# Altium PCB FMC_SDR_XFE.PcbDoc (part 2 of 4) (continued)
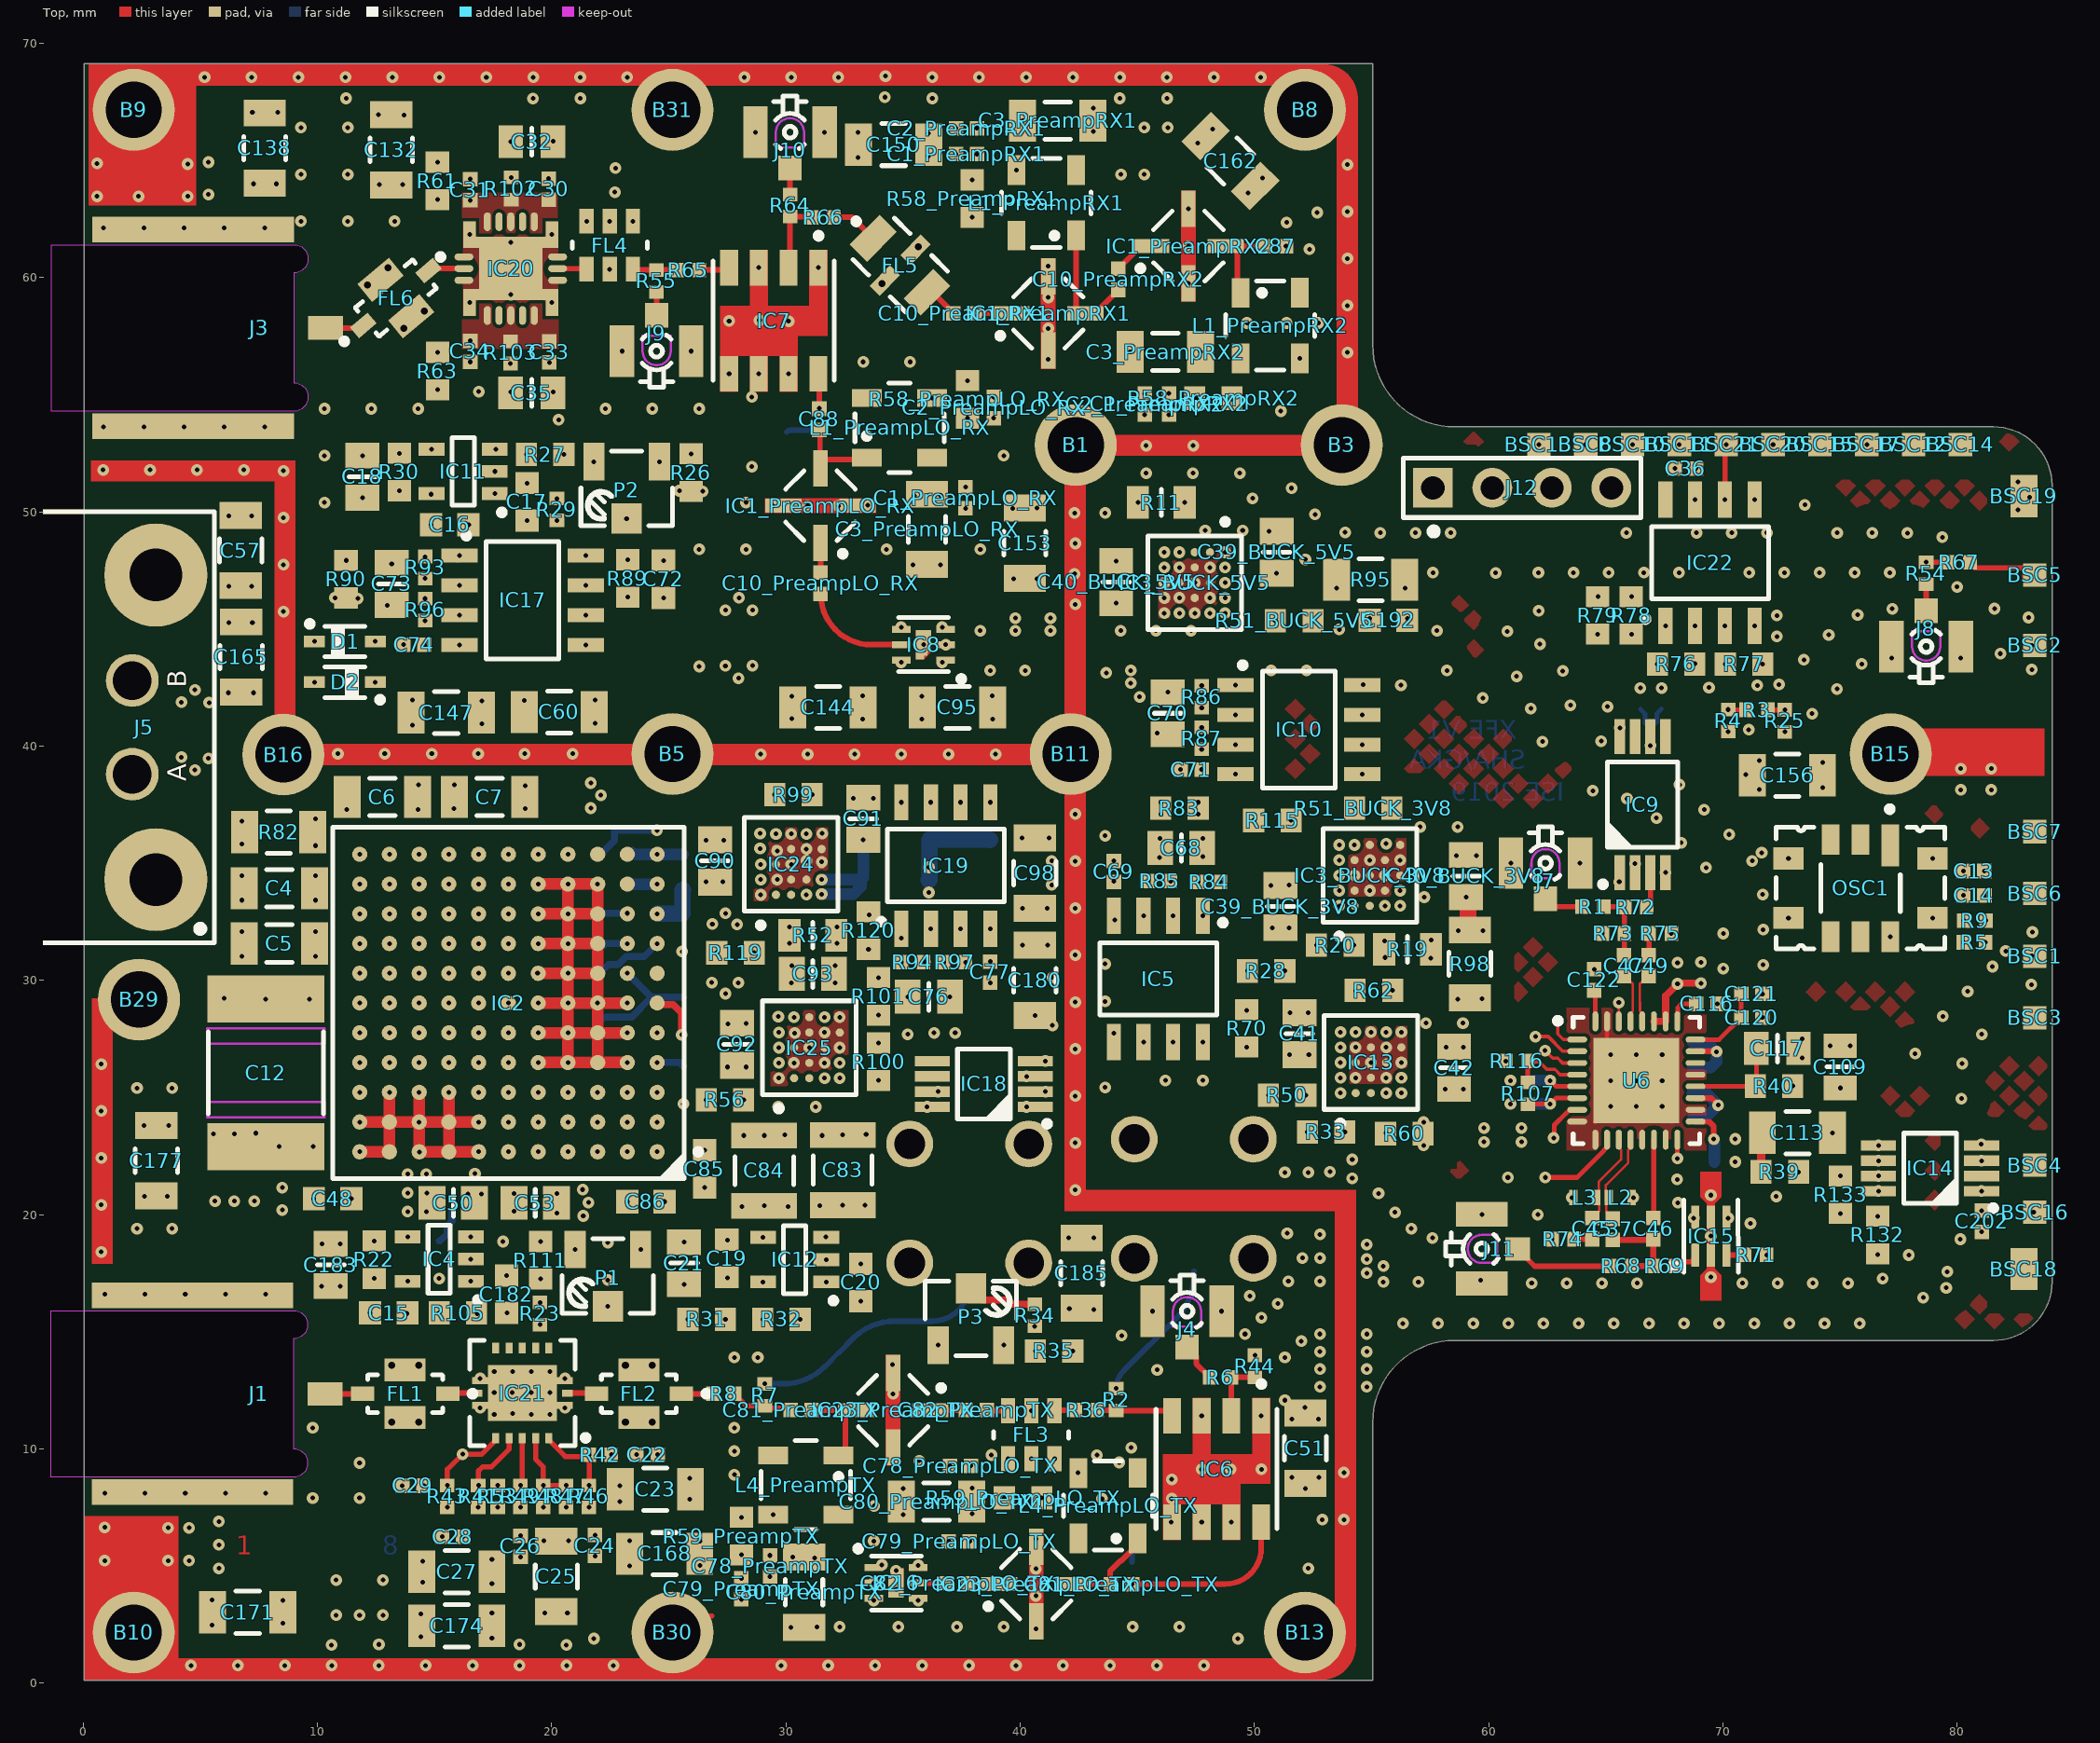
[diagram p0: Top view]
## Part data (continued)
R84 R86: library part R0402_22K_1%_0.0625W_100PPM, "Resistor - 1%", Case=0402, Manufacturer=GENERIC, Manufacturer1 ComponentHeight=0.4mm, Manufacturer1 Example="YAGEO PHYCOMP", Manufacturer1 Part Number=232270672203L, Power=0.0625W, Tolerance=±1%, Author="CERN DEM JLC", Component Type=Standard, CreateDate=03.12.2007, HelpURL=\\cern.ch\dfs\Applications\Altium\Datasheets\R0402_Phycomp_RC0402.pdf, LatestRevisionDate=17.10.2012, Manufacturer Part Number=R0402_22K_1%_0.0625W_100PPM, Mounted=Yes, Part Description="General Purpose Thick Film Chip Resistor", Part Number=R0402_22K_1%_0.0625W_100PPM, Pin Count=2, PressFit=No, Sense=No, SMD=Yes, Socket=No, Status="Not Recommended", TC=±100ppm/°C
R85 R87 R96 R97: library part R0402_12K_1%_0.0625W_100PPM, "Resistor - 1%", Case=0402, Manufacturer=GENERIC, Manufacturer1 ComponentHeight=0.4mm, Manufacturer1 Example="YAGEO PHYCOMP", Manufacturer1 Part Number=232270671203L, Power=0.0625W, Tolerance=±1%, Author="CERN DEM JLC", Component Type=Standard, CreateDate=03.12.2007, HelpURL=\\cern.ch\dfs\Applications\Altium\Datasheets\R0402_Phycomp_RC0402.pdf, LatestRevisionDate=17.10.2012, Manufacturer Part Number=R0402_12K_1%_0.0625W_100PPM, Mounted=Yes, Part Description="General Purpose Thick Film Chip Resistor", Part Number=R0402_12K_1%_0.0625W_100PPM, Pin Count=2, PressFit=No, Sense=No, SMD=Yes, Socket=No, Status="Not Recommended", TC=±100ppm/°C
R93 R94: library part R0402_38K3_1%_0.0625W_100PPM, "Resistor - 1%", Case=0402, Manufacturer=GENERIC, Manufacturer1 ComponentHeight=0.4mm, Manufacturer1 Example="YAGEO PHYCOMP", Manufacturer1 Part Number="232270673833L or RC0402FR-0738K3L", Power=0.0625W, Tolerance=±1%, Author="CERN DEM BC", Component Type=Standard, CreateDate=29.07.2015, HelpURL=\\cern.ch\dfs\Applications\Altium\Datasheets\R0402_Phycomp_RC0402.pdf, LatestRevisionDate=29.07.2015, Manufacturer Part Number=R0402_38K3_1%_0.0625W_100PPM, Mounted=Yes, Part Description="General Purpose Thick Film Chip Resistor", Part Number=R0402_38K3_1%_0.0625W_100PPM, Pin Count=2, PressFit=No, Sense=No, SMD=Yes, Socket=No, Status="Not Recommended", TC=±100ppm/°C
R102 R103: library part R0402_0.1R_1%_0.0625W_100PPM, "Resistor - 1%", Case=0402, Manufacturer=GENERIC, Manufacturer1 ComponentHeight=0.4mm, Manufacturer1 Example="YAGEO PHYCOMP", Manufacturer1 Part Number=232270671007L, Power=0.0625W, Tolerance=±1%, Author="CERN DEM MR", Component Type=Standard, CreateDate=15.03.2016, HelpURL=\\cern.ch\dfs\Applications\Altium\Datasheets\R0402_Phycomp_RC0402.pdf, LatestRevisionDate=15.03.2016, Manufacturer Part Number=R0402_0.1R_1%_0.0625W_100PPM, Mounted=Yes, Part Description="General Purpose Thick Film Chip Resistor", Part Number=R0402_0.1R_1%_0.0625W_100PPM, Pin Count=2, PressFit=No, Sense=No, SMD=Yes, Socket=No, Status="Not Recommended", TC=±100ppm/°C
R109: library part R0603_49K9_0.1%_0.063W_10PPM, "Resistor - 0.1%", Case=0603, Manufacturer=GENERIC, Manufacturer1 ComponentHeight=0.5mm, Manufacturer1 Example="TYCO HOLSWORTHY", Manufacturer1 Part Number=RN73C1J49K9BTDF, Power=0.063W, Tolerance=±0.1%, Author="CERN DEM JLC", Component Type=Standard, CreateDate=03.12.2007, HelpURL=\\cern.ch\dfs\Applications\Altium\Datasheets\R0603_Tyco_RN73.pdf, LatestRevisionDate=13.03.2008, Manufacturer Part Number=R0603_49K9_0.1%_0.063W_10PPM, Mounted=Yes, Part Description="Thin Film Chip Resistor", Part Number=R0603_49K9_0.1%_0.063W_10PPM, Pin Count=2, PressFit=No, Sense=No, SMD=Yes, Socket=No, Status="Not Recommended", TC=±10ppm
R110: library part R0603_499R_0.1%_0.063W_10PPM, "Resistor - 0.1%", Case=0603, Manufacturer=GENERIC, Manufacturer1 ComponentHeight=0.5mm, Manufacturer1 Example="TYCO HOLSWORTHY", Manufacturer1 Part Number=RN73C1J499RBTDF, Power=0.063W, Tolerance=±0.1%, Author="CERN DEM JLC", Component Type=Standard, CreateDate=03.12.2007, HelpURL=\\cern.ch\dfs\Applications\Altium\Datasheets\R0603_Tyco_RN73.pdf, LatestRevisionDate=13.03.2008, Manufacturer Part Number=R0603_499R_0.1%_0.063W_10PPM, Mounted=Yes, Part Description="Thin Film Chip Resistor", Part Number=R0603_499R_0.1%_0.063W_10PPM, Pin Count=2, PressFit=No, Sense=No, SMD=Yes, Socket=No, Status="Not Recommended", TC=±10ppm
R111: library part R0603_1K96_0.1%_0.063W_10PPM, "Resistor - 0.1%", Case=0603, Manufacturer=GENERIC, Manufacturer1 ComponentHeight=0.5mm, Manufacturer1 Example="TYCO HOLSWORTHY", Manufacturer1 Part Number=RN73C1J1K96BTDF, Power=0.063W, Tolerance=±0.1%, Author="CERN DEM JLC", Component Type=Standard, CreateDate=03.12.2007, HelpURL=\\cern.ch\dfs\Applications\Altium\Datasheets\R0603_Tyco_RN73.pdf, LatestRevisionDate=13.03.2008, Manufacturer Part Number=R0603_1K96_0.1%_0.063W_10PPM, Mounted=Yes, Part Description="Thin Film Chip Resistor", Part Number=R0603_1K96_0.1%_0.063W_10PPM, Pin Count=2, PressFit=No, Sense=No, SMD=Yes, Socket=No, Status="Not Recommended", TC=±10ppm
BSC1 BSC2 BSC3 BSC4 BSC5 BSC6 BSC7 BSC8 BSC10 BSC11 BSC12 BSC13 BSC14 BSC15 BSC16 BSC17 BSC20 BSC21: Part Description="Board connection - soldered 0603 jumper", Pin Count=1, PressFit=No, Sense=No, SMD=Yes, Socket=No, Status=None, System=Connector
BSC18 BSC19: Part Description="Board connection - soldered 1206 jumper", Pin Count=1, PressFit=No, Sense=No, SMD=Yes, Socket=No, Status=None, System=Connector

## Via types
v1: diameter 0.5, hole 0.2, Top to Bottom, tented both sides, 1305 vias
v2: diameter 0.5/0.5/0.5/0.5/0.5/0.5/0.5/0.5 (per signal layer), hole 0.2, Top to Bottom, tented both sides, 38 vias
v3: diameter 0.5/0.5/0.5/0.5/0.5/0.5/0.5/0.5 (per signal layer), hole 0.2, Top to Bottom, 14 vias
v4: diameter 0.6, hole 0.3, Top to Bottom, tented both sides, 14 vias

## Nets (pads, with @x,y where several pads share a name; then routed paths per layer and width w, separated by ;. In a path a pad name is that pad's centre, name@x,y a point inside that pad or via, vN(x,y) a via of type N, cw(c..) or ccw(c..) an arc to the next point about the centre after c; other vN are vias at no path point)
5356_SPI_CE: BSC13.1 R116.1 | length 30.6
  Top w0.1: v1(62.14,52.872) BSC13.1@62.175,52.907
  Int5 [signals] w0.2: v1(60.73,26.55) 59.63,27.65 58.718,27.65 58.125,28.243 58.125,42.426 59.055,43.356 59.055,51.481 60.447,52.872 v1(62.14,52.872)
5356_SPI_CLK: BSC8.1 J12.4 U6.1 | length 28
  Top w0.15: v1(62.95,28.275) 62.95,27.709 63.187,27.472 U6.1@63.78,27.472
  Int5 [signals] w0.2: v1(62.95,28.275) 62.95,40.268 64.712,42.03 64.712,44.006 64.15,44.568 64.15,49.94 J12.4@65.235,51.025
  Int4 [PWR] w0.3: v1(64.14,52.872) 64.14,52.12 J12.4@65.235,51.025
5356_SPI_DATA: BSC10.1 J12.3 U6.2 | length 35.1
  Top w0.15: v1(62,27.6) 62.539,27.6 63.166,26.972 U6.2@63.78,26.972
  Int5 [signals] w0.2: v1(62,27.6) 61.942,27.657 61.942,27.95 61.9,27.993 61.9,31.682 62.45,32.233 62.45,36.098 61.678,36.869 61.678,40.644 63.362,42.328 64.04,42.328 64.362,42.65 64.362,43.676 62.695,45.343 J12.3@62.695,51.025
  Int4 [PWR] w0.3: J12.3@62.695,51.025 63.845,49.875 65.711,49.875 66.385,50.549 66.385,52.623 66.14,52.868 v1(66.14,52.872)
5356_SPI_LE: BSC11.1 J12.2 U6.3 | length 36.6
  Top w0.15: v1(62.405,27.002) 62.731,26.675 62.95,26.675 63.153,26.472 U6.3@63.78,26.472
  Int5 [signals] w0.2: v1(62.405,27.002) 62.369,27.038 61.855,27.038 61.45,27.443 61.45,36.033 60.483,37 60.483,42.787 60.025,43.245 60.025,46.127 60.632,46.733 60.649,46.733 61.215,47.299 61.215,49.965 J12.2@60.155,51.025 61.255,52.125 67.368,52.125 68.115,52.872 v1(68.14,52.872)
BUCKBOOST_OUT: C90.2 IC24.A2 IC24.A3 IC24.A4 R37.2 R38.2 R112.1
  other v1: 5.625,20.575 6.45,20.575 7.305,20.575 27.922,32.383 26.86,32.403 27.419,32.858 26.595,34.2 27.313,34.2 28.925,34.303 28.925,34.953 28.9,35.625
  other v2: 8.5,20.2 8.5,21.152
CR_NSHDN: BSC12.1
EXTERNAL_PS: J5.A R21.1 R82.1
  other v1: 6.775,35.825 6.775,36.8 4.775,38.975 5.35,39.475 4.2,39.525
FE_3V3: C13.2 C14.2 C36.1 C43.2 C44.2 C202.2 IC9.2 IC9.6 IC14.1 IC22.7 OSC1.9 R9.2 R78.2 R88.1 R115.2 R132.2 | length 2.8
  Top w0.5: v1(76.599,18.289) R132.2@76.599,18.328 ; C202.2@81.026,20.14 v1(81.051,20.165)
  Bottom w0.2: C43.2@66.477,41.581 66.687,41.371 66.687,40.979 66.906,40.76 ; v1(66.9,40.025) 66.906,40.031 66.906,40.76 ; C44.2@67.377,41.581 67.167,41.371 67.167,41.021 66.906,40.76
  other v1: 81.04,20.999 60.82,21.584 81.228,32.548 78.947,32.665 80.262,33.628 80.261,34.665 66.25,34.975 51.568,36.825 66.1,46.375 68.815,50.525 68.85,51.85
FE_3V3_PLL: C110.2 C111.2 C112.1 C118.2 C119.2 C123.2 C124.2 L2.2 L3.2 R88.2 R107.1 U6.5 U6.6 U6.10 U6.16 U6.19 U6.26 U6.27 | length 16.5
  Top w0.2: R107.1@61.675,24.705 61.683,24.713 62.621,24.713 62.88,24.972 U6.6@63.78,24.972 ; v1(62.42,21.584) 63.773,21.584 64.93,22.742 64.93,22.758 65.055,22.883 U6.10@65.055,23.197 ; v1(62.63,25.722) 62.88,25.472 U6.5@63.78,25.472 ; v1(68.055,22.4) U6.16@68.055,23.197 ; U6.19@68.83,24.972 U6.19@68.84,24.962
  Top w0.25: U6.19@68.84,24.962 69.513,24.962 v1(69.8,24.675)
  Top w0.3: U6.27@67.055,28.247 U6.26@67.555,28.247 67.555,29.343 v1(68.062,29.85) 68.062,29.875 v1(69.062,29.875)
  Bottom w0.5: C110.2@61.83,24.722 v1(62.63,24.722) ; C119.2@61.83,25.722 v1(62.63,25.722) ; C118.2@68.7,24.075 69.2,24.075 v1(69.8,24.675) 69.3,25.175 C111.2@68.7,25.175 ; C124.2@69.062,29.85 v1(69.062,29.875)
  other v1: 63.55,20.725 66.175,20.725
FE_3V8: C72.2 C192.2 R89.1 R98.2 R113.1 | length 16.7
  Int2 [shielded signals] w0.5: v1(56.253,42.6) 56.253,38.522 57.898,36.877 57.898,32.874 57.458,32.434 57.328,32.434 56.875,31.981 56.875,30.442 58.11,29.207 v1(59.725,29.207)
  other v1: 58.675,29.2 56.525,45.45 24.773,46.324 23.248,46.354
FE_5V0: R83.2 R125.1
  other v1: 59.8,23.1 59.8,23.7 47.6,37.1 47.6,37.6
FE_5V0_Preamp: C1_PreampLO_RX.2 C1_PreampRX1.2 C1_PreampRX2.2 C2_PreampLO_RX.2 C2_PreampRX1.2 C2_PreampRX2.2 C3_PreampLO_RX.2 C3_PreampRX1.2 C3_PreampRX2.2 R58_PreampLO_RX.2 R58_PreampRX1.2 R58_PreampRX2.2 | length 0.5
  Top w0.22: C3_PreampLO_RX.2@36.024,50.749 C3_PreampLO_RX.2@36.325,51.05 ; R58_PreampLO_RX.2@37.719,53.969 v1(37.75,54)
  other v1: 35.475,50.675 36.6,50.7 37.669,51.05 38.875,54 47.518,54.845 45.318,55.045 46.35,55.05 47.7,56.825 37.958,64.17 38.158,65.27 38.158,66.37 40.1,66.699
FE_5V5: C11.2 C40_BUCK_5V5.2 C41.2 IC3_BUCK_5V5.E1 IC3_BUCK_5V5.E2 IC13.A3 IC13.A4 R33.2 R70.1 R95.1
  other v1: 53.86,23.525 47.8,25.725 53.673,26.49 51.5,26.822 52.325,26.825 49.675,27.15 53.673,27.14 53.5,46.75 46.152,47.623 44.1,47.9 46.152,48.273
FE_5V_PLL: C200.2 C201.2 R125.2 U6.17 | length 2.4
  Top w0.25: U6.17@68.83,23.972 68.84,23.962 69.413,23.962 69.603,23.772 69.603,23.224 v1(69.605,23.222)
  Bottom w0.2: C200.2@69.584,22.25 C200.2@69.625,22.25
  Bottom w0.5: v1(69.605,23.222) 69.625,23.202 69.625,22.254 C200.2@69.629,22.25
  other v1: 61.4,23.1 61.4,23.7
FE_-5V: C17.2 C42.1 IC11.2 IC13.A1 IC13.A5 IC13.B2 IC13.B3 IC13.B4 IC13.C2 IC13.C3 IC13.C4 IC13.C5 IC13.D2 IC13.D3 IC13.D4 IC13.E3 IC13.E4 IC13.E5 R60.2 R62.1 R118.1 | length 2.6
  Top w0.2: R62.1@55.623,29.295 v1(55.9,29.572) ; C42.1@58.498,27.14 C42.1@58.523,27.165
  Top w0.5: C17.2@18.75,51.425 v1(18.95,51.225)
  Int2 [shielded signals] w0.4: v1(55.9,29.572) 56.273,29.199 v1(56.273,27.79)
  other v1: 57.225,22.95 57.225,23.95 53.673,25.19 54.323,25.84 55.623,25.84 54.973,26.49 56.273,26.49 54.323,27.14 55.623,27.14 58.176,27.15 58.925,27.15 53.673,27.79 54.973,27.79 17.575,51.725
  other v3: 58.9,28.175
FE_NSHDN: BSC17.1 R28.1 R50.1 | length 69.5
  Int5 [signals] w0.2: v1(49.7,30.4) 44.676,30.4 44.676,25.283 45.336,24.622 50.118,24.622 v1(50.595,25.099) 51.44,24.254 51.44,23.638 52.228,22.85 56.618,22.85 57.018,22.45 61.457,22.45 62.275,23.268 62.275,23.66 64.005,25.39 64.005,31.857 64.4,32.252 64.4,35.207 63.943,35.664 63.943,38.301 65.004,39.362 65.389,39.362 66.45,40.423 66.45,41.18 65.525,42.105 65.525,47.015 68.535,50.025 71.562,50.025 74.409,52.872 v1(76.14,52.872)
FE_PA_-5V: C20.2 C93.1 C182.2 IC4.2 IC12.2 IC25.A1 IC25.A5 IC25.B2 IC25.B3 IC25.B4 IC25.C2 IC25.C3 IC25.C4 IC25.C5 IC25.D2 IC25.D3 IC25.D4 IC25.E3 IC25.E4 IC25.E5 R100.2 R101.1 R120.1 | length 1.2
  Top w0.5: v1(16.55,18.1) IC4.2@16.575,18.075 ; C182.2@17.925,17.55 v1(18.075,17.4) ; v1(31.725,18.075) IC12.2@31.75,18.05 ; C20.2@33.05,18.05 v1(33.2,17.9)
  Int6 [PWR] w0.3: v1(29.675,28.45) 30.078,28.986
  other v1: 29.7,25.825 30.35,26.475 31.65,26.475 31,27.125 32.3,27.125 33.957,27.325 30.375,27.75 31.65,27.775 32.3,28.425 33.95,28.514 32.097,29.9 32.099,30.625
  other v3: 33.55,32.8
FE_PA_VDD: IC21.14 R41.1 R43.1 R49.2 R53.2 R114.2 | length 3.8
  Top w0.22: v1(18.672,8.441) 18.748,8.517 IC21.14@18.748,10.452
  Int6 [PWR] w0.2: 13.7,10.6 13.7,10.891 13.723,10.914 13.723,11.355 13.795,11.427 ; 13.759,13.303 13.759,13.725 ; 16.369,10.299 16.384,10.299 16.723,9.959
  other v1: 15.548,7.501 16.864,7.501 17.698,8.441
  other v2: 21.35,19.942 21.575,20.517 21.325,21.067
FMC_3V3_IN: BSC18.1
FMC_12V_IN: BSC19.1 R10.1 R38.1 R81.1
  other v1: 27.422,29.433 27.972,29.893 26.834,29.908 21.672,37.351 22.1,37.901 21.675,38.426 27.975,42.9 27.418,43.425 28.575,43.432 82.6,50.081 83.1,50.625 82.6,51.275
GND: C1_PreampLO_RX.1 C1_PreampRX1.1 C1_PreampRX2.1 C2_PreampLO_RX.1 C2_PreampRX1.1 C2_PreampRX2.1 C3_PreampLO_RX.1 C3_PreampRX1.1 C3_PreampRX2.1 C11.1 C13.1 C14.1 C17.1 C18.1 C30.1 C31.1 C32.1 C33.1 C34.1 C35.1 C36.2 C38.1 C39_BUCK_3V8.1 C39_BUCK_5V5.1 C40_BUCK_3V8.1 C40_BUCK_5V5.1 C41.1 C42.2 C43.1 C44.1 C51.1 C52.1 C54.1 C55.1 C56.1 C57.1 C58.1 C59.1 C60.1 C63.1 C64.1 C65.1 C68.1 C70.1 C72.1 C73.1 C95.1 C98.1 C109.1 C110.1 C111.1 C112.2 C114.1 C115.1 C116.2 C117.1 C118.1 C119.1 C120.1 C121.1 C122.2 C123.1 C124.1 C130.1 C131.1 C132.1 C133.1 C134.1 C136.1 C137.1 C138.1 C139.1 C140.1 C142.1 C143.1 C144.1 C145.1 C146.1 C147.1 C148.1 C149.1 C150.1 C151.1 C152.1 C153.1 C154.1 C155.1 C156.1 C158.1 C160.1 C162.1 C192.1 C198.1 C199.1 C200.1 C201.1 C202.1 C204.1 C205.1 C206.1 C207.1 C208.1 C209.1 C210.1 C211.1 C212.1 C213.1 C214.1 C215.1 C216.1 C217.1 D1.2 D2.1 FL4.2 FL4.4 FL4.5 FL4.6 FL5.2 FL5.4 FL6.2 FL6.4 IC1_PreampLO_RX.2 IC1_PreampLO_RX.4 IC1_PreampRX1.2 IC1_PreampRX1.4 IC1_PreampRX2.2 IC1_PreampRX2.4 IC3_BUCK_3V8.A1 IC3_BUCK_3V8.A5 IC3_BUCK_3V8.B2 IC3_BUCK_3V8.B3 IC3_BUCK_3V8.B4 IC3_BUCK_3V8.C2 IC3_BUCK_3V8.C3 IC3_BUCK_3V8.C4 IC3_BUCK_3V8.C5 IC3_BUCK_3V8.D2 IC3_BUCK_3V8.D3 IC3_BUCK_3V8.D4 IC3_BUCK_3V8.E3 IC3_BUCK_3V8.E4 IC3_BUCK_3V8.E5 IC3_BUCK_5V5.A1 IC3_BUCK_5V5.A5 IC3_BUCK_5V5.B2 IC3_BUCK_5V5.B3 IC3_BUCK_5V5.B4 IC3_BUCK_5V5.C2 IC3_BUCK_5V5.C3 IC3_BUCK_5V5.C4 IC3_BUCK_5V5.C5 IC3_BUCK_5V5.D2 IC3_BUCK_5V5.D3 IC3_BUCK_5V5.D4 IC3_BUCK_5V5.E3 IC3_BUCK_5V5.E4 IC3_BUCK_5V5.E5 IC5.3 IC5.6 IC5.7 IC7.1 IC7.3 IC7.5 IC7.6 IC7.7 IC8.1 IC8.3 IC8.4 IC8.6 IC8.7 IC9.4 IC10.3 IC10.6 IC10.7 IC11.1 IC13.E1 IC13.E2 IC14.4 IC15.2 IC15.5 IC17.3 IC17.6 IC17.7 IC20.1 IC20.3 IC20.9 IC20.11 IC20.17 IC22.4 J3.2 J7.2 J8.2 J9.2 J10.2 J11.2 J12.1 J13.2 OSC1.4 OSC1.10 R4.1 R5.1 R11.2 R19.2 R25.1 R29.1 R30.1 R39.1 R45.1 R51_BUCK_3V8.1 R51_BUCK_5V5.1 R71.1 R73.1 R74.1 R75.1 R79.1 R85.1 R87.1 R96.1 R117_BUCK_3V8.1 R117_BUCK_5V5.1 R133.2 U6.8 U6.9 U6.13 U6.15 U6.18 U6.21 U6.31 U6.33 | length 11.3
  Top w0.2: U6.33@64.555,23.972 v1(66.305,25.722) ; U6.31@65.055,28.247 65.055,26.972 v1(65.205,26.822) v1(66.305,25.722) ; U6.33@66.555,25.972 v1(66.305,25.722)
  Top w0.5: v1(59.65,17.2) 59.65,17.119 J11.2@59.708,17.061 ; J11.2@59.683,20.036 v1(59.708,20.011) ; v1(71.355,45.125) 71.355,45.525 IC22.4@71.405,45.575
  Bottom w0.5: 67.405,25.135 v1(67.405,24.622) 67.405,24.115 67.76,24.115 C118.1@67.8,24.075 ; 67.405,26.315 v1(67.405,26.822) 67.405,27.335 67.76,27.335 C115.1@67.8,27.375 ; C111.1@67.8,25.175 67.405,25.175 v1(67.405,25.722) 67.405,26.275 C114.1@67.8,26.275
  other v1: 52.175,8.3 51.6,8.775 52.75,8.775 54.8,12.65 54.8,13.4 54.8,14.15 54.8,14.9 56.34,15.353 57.84,15.353 59.34,15.353 60.84,15.353 62.34,15.353 63.84,15.353 65.34,15.353 66.84,15.353 68.34,15.353 69.84,15.353 71.34,15.353 72.84,15.353 74.34,15.353 75.84,15.353 78.555,16.458 79.532,16.878 61.835,17.072 63.335,17.072 64.835,17.072 66.335,17.072 70.835,17.072 72.335,17.072 73.835,17.072 75.335,17.072 55.5,17.125 57,17.125 76.822,17.269 69.485,17.329 54.8,17.5 79.575,17.558 55.5,17.8 54.8,18.1 71.87,18.279 77.938,18.272 54.8,18.725 62.705,18.946 80.136,18.949 57.6,19 69.485,19.079 81.051,19.265 56.7,19.4 71.175,19.625 62.1,20 56,20.1 68.075,20.508 72.275,20.775 69.485,20.829 55.3,20.9 68.05,21.5 54.175,21.55 75.022,21.646 73.227,21.822 70.525,22.25 54.175,22.35 81.029,23.003 70.525,23.225 65.205,24.622 66.305,24.622 60.93,24.722 80.184,24.948 56.273,25.19 58.15,25.35 58.925,25.35 43.625,25.425 46.2,25.725 60.93,25.722 65.205,25.722 56.273,25.84 80.212,26.448 73.38,26.693 66.305,26.822 78.2,26.875 74.575,27.204 75.425,27.204 45.264,27.359 46.534,27.359 73.38,27.51 81.045,27.695 71.682,28.416 79.389,28.46 51.525,28.625 52.3,28.625 69.765,28.997 43.625,29.1 71.682,29.422 80.445,29.525 83.167,29.816 64.505,30.472 70.017,30.499 81.506,30.586 71.714,30.665 43.625,30.7 68.062,30.75 69.062,30.775 57.525,30.95 82.075,31.25 81.208,31.623 57.538,31.725 64.855,32 67.795,32 70.017,31.999 83.211,32.06 71.714,32.165 50.768,32.239 51.486,32.239 45.264,32.759 40.1,33.075 41.15,33.075 53.624,33.18 81.162,33.628 71.698,33.665 54.924,33.83 45.48,34.234 54.274,34.48 55.574,34.48 67.55,34.6 81.161,34.665 69.281,34.81 60.95,35 63.9,35 71.248,35.096 54.924,35.13 56.224,35.13 72.797,35.205 78.947,35.205 45.955,35.25 58.625,35.325 59.475,35.325 71.652,35.447 53.624,35.78 68.22,35.87 45.975,36.05 43.625,36.175 70.263,36.227 67.159,36.931 69.202,37.288 55.871,37.35 65.903,37.75 64.443,38.094 80.154,38.136 81.454,38.136 71.55,38.15 68.142,38.348 70.975,38.775 71.55,39.375 47.75,39.86 49.2,40.065 54.6,40.065 62.299,40.187 64.806,40.207 45.853,40.55 72.644,40.607 70.228,40.618 71.104,40.698 17.025,40.95 21.85,40.975 38.825,41.15 30.25,41.175 54.6,41.335 73.806,41.381 61.801,41.603 65.072,41.683 63.491,41.744 17.025,41.933 21.85,41.958 59.749,42.048 45.1,42.1 30.25,42.127 38.8,42.15 74.866,42.442 66.477,42.481 67.377,42.481 69.404,42.497 71.469,42.588 72.395,42.625 44.718,42.691 12.475,42.725 61.197,42.975 43.675,43.125 38.718,43.227 40.218,43.227 44.718,43.227 50.718,43.227 52.218,43.227 58.218,43.227 63.159,43.207 83.184,43.267 26.3,43.4 75.927,43.503 34.925,43.575 36.675,43.575 73.456,43.686 77.2,43.75 80.15,43.75 81.846,43.946 35.875,44.325 62.192,44.353 12.475,44.465 74.516,44.746 60.792,44.893 38.293,44.923 39.793,44.923 41.293,44.923 44.293,44.923 45.793,44.923 47.293,44.923 57.793,44.923 53.625,44.975 34.925,45.075 36.675,45.075 14.597,45.354 52.5,45.35 39.793,45.459 41.293,45.459 54.925,45.45 83.044,45.487 16.059,45.591 21.459,45.591 75.751,45.598 46.15,45.675 47.452,45.673 48.752,45.673 62.14,45.775 77.227,45.863 81.593,45.867 12.975,46 44.1,46.1 46.152,46.323 46.8,46.325 48.102,46.323 64.675,46.375 79.995,46.797 6.217,46.825 7.2,46.825 21.459,46.861 46.152,46.973 47.452,46.973 39.725,47.132 40.708,47.132 57.623,47.406 60.3,47.396 62.123,47.406 63.623,47.406 65.123,47.406 66.623,47.406 68.123,47.406 71.123,47.406 72.623,47.406 74.123,47.406 75.623,47.406 77.123,47.406 46.802,47.623 48.102,47.623 35.425,47.73 36.6,47.73 24.773,47.924 52.176,47.973 48.752,48.273 26.3,48.4 28.3,48.4 34.3,48.4 38.3,48.4 79.365,48.916 77.875,49.091 53.875,49.121 55.375,49.103 56.875,49.103 58.375,49.103 65.875,49.103 68.875,49.103 70.375,49.103 71.875,49.103 74.875,49.103 76.375,49.103 50.625,49.175 18.95,49.625 52.589,49.893 43.625,49.95 37.669,50.15 29.43,50.261 30.925,50.261 32.237,50.25 33.5,50.275 10.3,50.4 28.3,50.4 45.025,50.4 20.225,50.57 49.921,50.579 17.575,50.775 13.5,50.9 51.586,51.008 47.375,51.65 49.375,51.65 67.95,51.85 28.55,51.925 10.3,52.4 11.925,52.4 39.3,52.4 0.875,53.625 2.592,53.625 4.31,53.625 6.027,53.625 7.744,53.625 20.3,53.925 45.318,54.145 46.35,54.15 51.125,54.3 10.3,54.4 12.3,54.4 14.3,54.4 22.3,54.4 24.3,54.4 26.3,54.4 28.55,54.9 38.875,54.9 16.888,55.132 20.075,55.125 27.576,55.892 28.846,55.892 30.116,55.892 33.3,56.4 35.3,56.4 41.2,56.5 44.7,56.825 23.006,56.857 25.956,56.857 41.2,57.827 49.687,58.06 52.725,58.06 30.116,58.132 27.576,58.15 28.869,58.175 16.5,58.932 20.013,58.932 41.2,59.154 18.256,59.27 47.183,59.757 22.481,60.357 28.846,60.422 31.386,60.422 41.2,60.481 52.348,61.209 47.175,61.325 18.256,61.495 16.5,61.832 20.013,61.832 0.875,62.125 2.592,62.125 4.31,62.125 6.027,62.125 7.744,62.125 51.375,62.35 9.3,62.4 11.3,62.4 13.3,62.4 21.491,62.407 22.481,62.407 23.471,62.407 52.675,62.775 47.183,62.927 5.35,63.55 49.725,63.616 22.7,63.65 12.65,63.978 13.633,63.978 7.267,64 8.25,64 16.525,64.2 50.35,64.241 9.3,64.4 11.3,64.4 44.3,64.4 45.3,64.4 22.725,64.675 5.35,64.925 36.075,65.175 37.258,65.27 20.075,65.825 36.075,66.158 28.7,66.204 31.65,66.204 43.125,66.242 37.258,66.37 9.3,66.4 11.3,66.4 45.3,66.4 46.3,66.4 43.125,67.225 11.225,67.65 19.203,67.647 21.225,67.65 36.25,67.65 44.25,67.65 46.275,67.65 34.225,67.7
  other v2: 19.9,56.375 16.525,56.4 51.376,58.06 19.875,64.225
  other v3: 58.675,36.55 49.5,49.2
  other v4: 13.687,57.829 14.568,58.568 12.132,59.682 34.094,59.744 13.013,60.422 35.656,61.306
LNA_3V3: R61.1 R90.2
  other v1: 11.725,46.3 10.75,46.325 15.125,64.925
LNA_PD: BSC15.1
LNA_VG: R26.2 R63.1
  other v1: 26.45,50.875 25.45,50.9 15.131,55.207
"LO RX": C88.2 IC7.8 R104.2 | length 1.5
  Top w0.22: IC7.8@31.386,55.892 IC7.8@31.399,55.892
  Top w0.25: IC7.8@31.386,55.892 31.425,55.853 C88.2@31.425,54.435
  other v2: 31.425,54.42
LO_TX: C81_PreampLO_TX.2 IC6.8 R106.2 | length 7.5
  Top w0.24: C81_PreampLO_TX.2@44.805,4.225 48.749,4.225 ccw(c48.749,5.766) 50.29,5.766 IC6.8@50.29,6.875
  other v2: 44.775,4.225
LOCK_DETECT: BSC20.1 U6.30 | length 32.2
  Top w0.1: U6.30@65.555,28.247 v1(65.555,29.047)
  Int5 [signals] w0.2: v1(65.555,29.047) 65.555,33.438 64.9,34.093 64.9,35.45 66.575,37.125 66.575,38.063 67.55,39.038 67.55,40.575 65.875,42.25 65.875,43.575 66.55,44.25 67.525,44.25 68.1,44.825 68.1,45.65 70.425,47.975 72.382,47.975 73.538,49.132 73.538,50.256 v1(73.5,50.294) v1@73.453,50.247
  Int6 [PWR] w0.3: v1(72.14,52.872) 72.14,51.654 v1(73.5,50.294)
NetBSC1_1: BSC1.1 R44.2 | length 44.9
  Int2 [shielded signals] w0.19: v1(50.025,13.995) 51.135,15.105 cw(c53.809,12.431) 53.809,16.212 76.042,16.212 ccw(c76.042,18.752) 77.838,16.956 78.581,17.7 ccw(c76.785,19.496) 79.325,19.496 79.325,26.138 cw(c81.865,26.138) 80.069,27.934 v1(83.187,31.052)
NetBSC5_1: BSC5.1 R67.2 | length 2.9
  Top w0.22: R67.2@80.545,47.85 80.545,47.83 80.76,47.615 82.878,47.615 BSC5.1@82.878,47.3
  Top w0.25: BSC5.1@82.891,47.25 ccw(c82.891,47.421) BSC5.1@83.012,47.3
NetC8_2: C8.2 IC2.K1 | length 1.1
  Bottom w0.3: C8.2@23.45,34.05 C8.2@23.5,34.1
  Bottom w0.5: C8.2@23.5,34.1 v1(24.5,34.1)
NetC9_2: C9.2 IC2.J2 | length 1.2
  Bottom w0.3: C9.2@22.05,32.825 22.09,32.865 v1(23.235,32.865)
NetC10_PreampLO_RX_1: C10_PreampLO_RX.1 IC8.5 | length 4.7
  Top w0.24: C10_PreampLO_RX.1@31.484,46.5 ccw(c33.659,46.5) 33.659,44.325 IC8.5@34.925,44.325
NetC10_PreampLO_RX_2: C10_PreampLO_RX.2 IC1_PreampLO_RX.1 | length 1.3
  Top w0.22: IC1_PreampLO_RX.1@31.476,48.676 IC1_PreampLO_RX.1@31.484,48.668
  Top w0.24: C10_PreampLO_RX.2@31.484,47.4 IC1_PreampLO_RX.1@31.484,48.668
NetC10_PreampRX1_1: C10_PreampRX1.1 FL5.3 | length 1.4
  Top w0.22: FL5.3@36.024,59.376 FL5.3@36.249,59.376 ; C10_PreampRX1.1@37,58.475 C10_PreampRX1.1@37,58.625
  Top w0.24: FL5.3@36.249,59.376 C10_PreampRX1.1@37,58.625
NetC10_PreampRX1_2: C10_PreampRX1.2 IC1_PreampRX1.1 | length 1.6
  Top w0.24: C10_PreampRX1.2@38.05,58.475 38.055,58.47 39.61,58.47 IC1_PreampRX1.1@39.615,58.465
NetC10_PreampRX2_1: C10_PreampRX2.1 IC1_PreampRX1.3 L1_PreampRX1.1 | length 4.4
  Top w0.24: L1_PreampRX1.1@42.384,61.793 42.384,58.65 42.569,58.465 IC1_PreampRX1.3@42.785,58.465 ; IC1_PreampRX1.3@43.445,58.725 C10_PreampRX2.1@44.025,59.305
NetC10_PreampRX2_2: C10_PreampRX2.2 IC1_PreampRX2.1 | length 1.6
  Top w0.22: IC1_PreampRX2.1@44.933,61.113 44.933,61.147 45.128,61.342 IC1_PreampRX2.1@45.598,61.342 IC1_PreampRX2.1@45.598,61.317
  Top w0.24: C10_PreampRX2.2@44.373,60.552 IC1_PreampRX2.1@44.933,61.113
NetC12_2: C12.2 C83.2 C84.2 C85.2 C86.2 IC2.A1 IC2.A2 IC2.A3 IC2.A4 IC2.A5 IC2.A6 IC2.B1 IC2.B2 IC2.B3 IC2.B4 IC2.B5 IC2.B6 IC2.C1 IC2.C2 IC2.C3 IC2.C4 IC2.C5 IC2.C6 R12.2 R13.2 R37.1
  other v1: 23.225,20.55 26.525,21.15 18.155,22.68 19.425,22.68 20.695,22.68 21.965,22.68 23.235,22.68 24.505,22.68 9.825,22.9 28.201,23.375 29.076,23.375 31.55,23.375 29.95,23.4 32.425,23.4 33.425,23.425 5.568,23.45 6.45,23.45 7.375,23.475 18.155,23.95 19.425,23.95 20.695,23.95 21.965,23.95 23.235,23.95 24.505,23.95 25.625,24.725 18.155,25.22 19.425,25.22 20.695,25.22 21.965,25.22 23.235,25.22 24.505,25.22 25.575,31.225
  other v2: 8.375,22.9
NetC15_1: C15.1 IC4.3 | length 10.6
  Top w0.3: v1(13.823,15.775) C15.1@13.848,15.8
  Int2 [shielded signals] w0.3: v1(13.823,15.775) 13.3,16.298 13.3,17.378 14.972,19.05 v1(16.55,19.05)
  Int5 [signals] w0.3: v1(13.823,15.775) 14.545,16.498 15.2,16.498 15.856,17.153 15.856,18.356 v1(16.55,19.05)
NetC15_2: C15.2 C183.2 IC4.5 P1.1 R22.2 R105.1 | length 22.2
  Top w0.5: C183.2@10.575,16.95 C183.2@10.738,17.113 ; v1(12.248,15.8) C15.2@12.475,16.027 ; R22.2@12.413,17.263 v1(12.425,17.275) ; R105.1@16.797,15.8 v1(16.822,15.775) ; P1.1@23.8,18.515 v1(23.815,18.515)
  Int2 [shielded signals] w0.5: v1(13.85,17.15) 13.85,16.76 14.547,16.063 14.547,15.531 14.928,15.15 15.467,15.15 16.096,15.779 16.818,15.779 17.942,14.655 22.599,14.655 23.815,15.871 v1(23.815,18.515)
  Int2 [shielded signals] w0.7: v1(10.175,16.936) v1(10.975,16.936) 11.111,16.936 v1(12.248,15.8)
  Int5 [signals] w0.7: v1(10.175,16.936) v1(10.975,16.936) 11.314,17.275 v1(12.425,17.275) 13.725,17.275 v1(13.85,17.15)
NetC16_1: C16.1 IC11.3 | length 3.8
  Top w0.3: C16.1@16.45,49.45 v1(16.466,49.45) ; IC11.3@17.575,52.675 v1(17.616,52.675)
  Int5 [signals] w0.3: v1(16.466,49.45) 16.466,51.525 v1(17.616,52.675)
NetC16_2: C16.2 C18.2 IC11.5 P2.1 R26.1 R27.2 | length 18.8
  Top w0.357: v1(24.6,52.14) 24.6,52.204 P2.1@24.871,52.475
  Int2 [shielded signals] w0.7: v1(11.925,50.6) 13.075,49.45 v1(14.85,49.45) v1(14.85,50.75) 14.85,50.969 17.306,53.425 17.95,53.425 v1(18.925,52.45) 19.985,51.39 23.85,51.39 v1(24.6,52.14) 25.615,52.14 v1(25.95,52.475)
NetC19_1: C19.1 IC12.3 | length 4.8
  Top w0.3: C19.1@27.475,18.925 v1(27.5,18.9) ; v1(31.7,19.05) IC12.3@31.725,19.025
  Int2 [shielded signals] w0.3: v1(27.5,18.9) 28.175,19.575 31.175,19.575 v1(31.7,19.05)
NetC19_2: C19.2 C21.2 IC12.5 P3.1 R31.1 R32.2 | length 15.7
  Top w0.5: v1(25.65,17.025) C21.2@25.8,17.175 ; C19.2@27.325,17.175 C19.2@27.475,17.325 v1(27.5,17.3) C19.2@27.65,17.15 ; v1(27.418,15.53) R31.1@27.475,15.587 ; IC12.5@29,17.15 v1(29.025,17.125) ; R32.2@29.009,15.53 R32.2@29.013,15.534 ; v1(29.017,15.53) R32.2@29.013,15.534 ; R32.2@29.017,15.537 R32.2@29.013,15.534
  Int5 [signals] w0.7: v1(25.65,17.025) 25.925,17.3 v1(27.5,17.3) ; v1(27.418,15.53) 27.418,17.218 v1(27.5,17.3) ; v1(36.5,14.425) 30.122,14.425 v1(29.017,15.53) 29.025,15.537 v1(29.025,17.125) 27.675,17.125 v1(27.5,17.3)
NetC22_2: C22.2 R42.1 | length 1.1
  Int2 [shielded signals] w0.3: v1(22.545,9.75) v1(23.625,9.75)
NetC23_2: C23.2 R46.1 | length 2.1
  Int2 [shielded signals] w0.22: v1(21.595,7.501) 22.659,7.501 v1(22.902,7.744) ; v1@22.827,7.744 22.903,7.821 v1(22.904,8.428) v1(22.904,8.428)
NetC24_2: C24.2 R47.1 | length 1.7
  Top w0.22: v1(20.621,7.501) R47.1@20.624,7.501
  Int2 [shielded signals] w0.22: v1(20.621,7.501) 20.647,7.501 21.823,6.325 v1(21.85,6.325)
NetC25_2: C25.2 R48.1 | length 3.6
  Top w0.22: C25.2@19.646,6.515 20.111,6.05 C25.2@20.2,6.05
  Int2 [shielded signals] w0.22: v1(19.646,7.501) v1@19.661,7.487 ; v1@19.661,6.089 v1(19.675,6.075)
  Int2 [shielded signals] w0.3: v1@19.661,6.089 19.661,6.8 ; v1@19.661,7.487 19.661,6.8 ; v1(20.725,6.075) 20.725,6.129 20.054,6.8 19.661,6.8
NetC26_2: C26.2 R49.1 | length 1.2
  Int2 [shielded signals] w0.22: v1(18.673,6.291) v1(18.673,7.5)
NetC27_2: C27.2 R53.1 | length 3.5
  Top w0.22: C27.2@17.45,4.75 C27.2@17.698,4.998
  Int2 [shielded signals] w0.3: v1(17.45,4.25) v1(17.45,5.275) 17.45,6.425 17.678,6.653 v1@17.678,7.303
  other v1: 17.698,7.501
NetC28_2: C28.2 IC21.13 R41.2 R76.1 | length 116.6
  Top w0.22: R41.2@16.884,8.684 v1(16.884,8.441) R41.2@16.864,8.441 16.882,8.459 16.882,9.061 17.05,9.229 17.429,9.229 18.182,9.982 IC21.13@18.182,10.452
  Int2 [shielded signals] w0.3: v1(16.223,6.25) 16.223,7.78 v1(16.884,8.441)
  Int5 [signals] w0.2: v1(16.223,6.25) 17.182,6.25 18.083,5.349 18.083,4.923 18.806,4.2 23.232,4.2 23.557,4.525 26.444,4.525 29.494,1.475 47.077,1.475 49.87,4.268 49.87,7.752 51.655,9.538 52.19,9.538 53.975,11.323 53.975,14.782 55.143,15.95 77.328,15.95 78.906,17.529 78.906,25.462 76.599,27.768 76.599,34.451 73.35,37.7 73.35,40.144 74.306,41.1 74.306,41.669 71.975,44 71.85,44 ; v1(67.2,43.5) 67.27,43.5 67.785,44.015 71.892,44.015
NetC29_2: C29.2 IC21.12 R43.2 R77.1 | length 112.6
  Top w0.22: C29.2@14.525,8.425 v1(14.55,8.425) ; v1(15.55,8.45) 15.55,8.443 R43.2@15.548,8.441 15.548,9.123 v1(16.2,9.775) 17.014,9.775 17.616,10.377 IC21.12@17.616,10.452
  Top w0.3: R77.1@71.625,43.45 71.675,43.5 v1(71.7,43.5)
  Int5 [signals] w0.2: v1(16.2,9.775) 16.2,7.458 16.833,6.825 22.057,6.825 22.307,6.575 30.714,6.575 32.691,4.598 32.691,3.802 34.668,1.825 46.932,1.825 49.52,4.413 49.52,9.052 50.728,10.26 52.417,10.26 53.625,11.468 53.625,14.927 54.998,16.3 77.183,16.3 78.556,17.674 78.556,25.317 76.249,27.623 76.249,32.459 72.144,36.564 72.144,40.844 70.969,42.02 70.969,42.795 71.674,43.5 v1(71.7,43.5)
  Int5 [signals] w0.22: v1(14.55,8.425) 14.563,8.438 15.538,8.438 v1(15.55,8.45)
NetC30_2: C30.2 C31.2 IC20.12 IC20.14 IC20.16 R61.2 R102.2 | length 1.6
  Top w0.22: R61.2@15.125,63.15 v1(15.125,63.325)
  Top w0.7: R61.2@15.213,63.325 R61.2@15.219,63.32
  Int2 [shielded signals] w0.7: v1(15.125,63.325) 15.15,63.3 v1(16.525,63.3)
NetC32_2: C32.2 R102.1 | length 1.5
  Int3 [GND] w0.5: v2(18.257,65.794) 18.257,64.313 ccw(c18.318,64.313) v2(18.275,64.27)
NetC33_2: C33.2 C34.2 IC20.4 IC20.6 IC20.8 R63.2 R103.2 | length 1.7
  Top w0.22: v1(15.131,56.807) R63.2@15.131,56.932
  Int2 [shielded signals] w0.22: v1(15.131,56.807) 15.624,57.3 v1(16.525,57.3)
NetC35_2: C35.2 R103.1 | length 1.2
  Int2 [shielded signals] w0.5: v2(18.241,56.33) 18.241,55.164 ccw(c18.296,55.164) v2(18.257,55.125)
NetC37_2: C37.2 C46.2 R68.2 R69.1 | length 3.9
  Top w0.26: C37.2@65.3,18.925 C46.2@66.965,18.925 ; R68.2@66.12,17.8 R69.1@67.03,17.8 67.027,17.803 67.027,18.948 C46.2@67.025,18.95 ; C46.2@66.965,18.925 ccw(c66.965,19.01) C46.2@67.025,18.95 ; C46.2@66.965,18.925 67,18.925 C46.2@67.025,18.95
NetC39_BUCK_3V8_2: C39_BUCK_3V8.2 IC3_BUCK_3V8.A3 IC3_BUCK_3V8.A4 R20.2 R95.2
  other v1: 54.25,31.5 50.7,34.05 51.486,34.064 53.624,34.48 53.624,35.13 56.425,46.75
NetC39_BUCK_5V5_2: C39_BUCK_5V5.2 IC3_BUCK_5V5.A2 IC3_BUCK_5V5.A3 IC3_BUCK_5V5.A4 R10.2 R21.2
  other v1: 5.375,41.85 4.2,41.875 4.776,42.4 27.425,45.8 28.575,45.8 28,46.325 48.752,46.323 48.752,46.973 50.945,47.373 48.752,47.623